# Altium PCB HYDRA_V3_NAV_CRIPPLED_V2.PcbDoc (part 1 of 2) (continued)
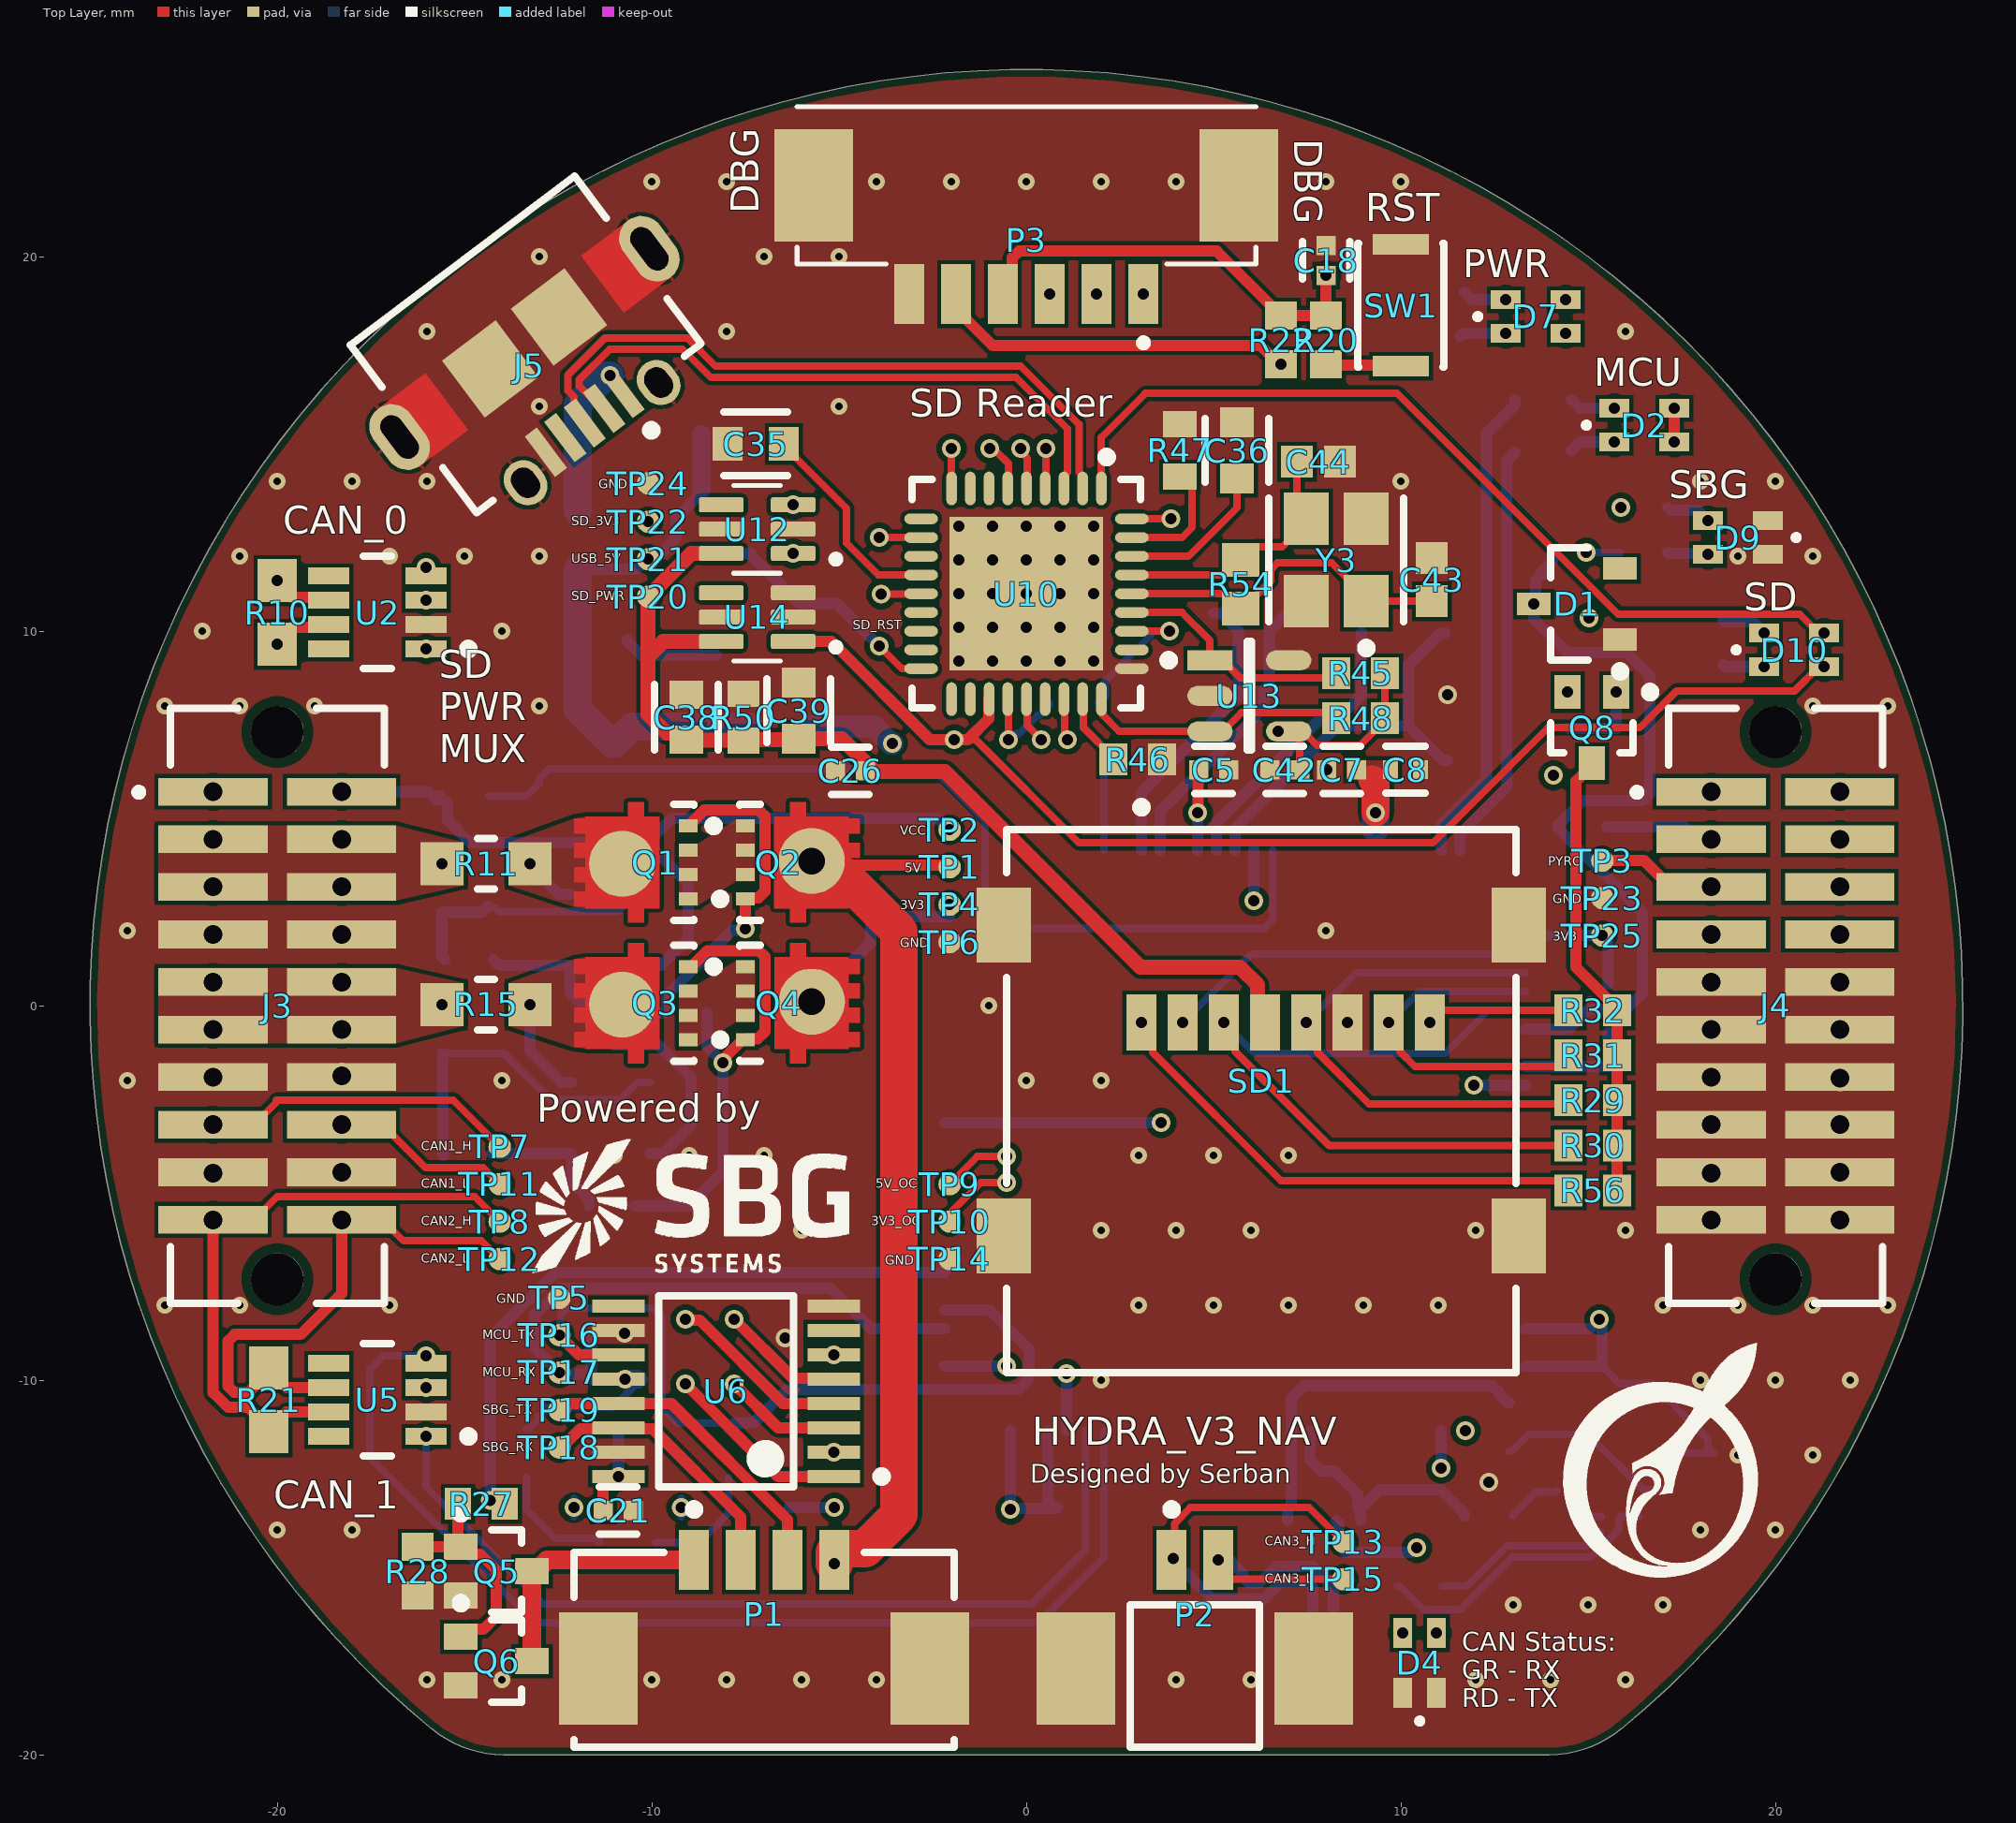
[diagram p0: Top Layer view]
## Components (designator, comment, footprint, x,y, rotation, side; value= is the part's Value field where it differs from the comment)
C1 "CC0402JRNPO9BN500" FP-C0402-BB-MFG -4.45,2.375 r0 bottom value="50 pF"
C2 "CC0402JRNPO9BN500" FP-C0402-BB-MFG -0.425,-13.85 r90 bottom value="50 pF"
C3 "C1005X7S1A225K050BC" FP-C1005-050-0_15-0_1-MFG 0.825,-13.8 r270 bottom
C4 "CC0402JRNPO9BN500" FP-C0402-BB-MFG 1.675,6.3 r0 bottom value="50 pF"
C5 "CC0402JRNPO9BN500" FP-C0402-BB-MFG 5,6.3 r180 top value="50 pF"
C6 "C0402C104K8PACTU" FP-C0402-BB-MFG 8,19.9 r90 bottom value="0.10 μF"
C7 "CC0402JRNPO9BN500" FP-C0402-BB-MFG 8.415,6.3 r0 top value="50 pF"
C8 "GRM155R71C104KA88D" FP-GRM15-MFG 10.115,6.3 r180 top value=0.10μF
C9 "CC0402JRNPO9BN500" FP-C0402-BB-MFG 15.775,-9.625 r180 bottom value="50 pF"
C10 "C1005X7S1A225K050BC" FP-C1005-050-0_15-0_1-MFG 15.7,-8.375 r0 bottom
C11 "CC0402JRNPO9BN500" FP-C0402-BB-MFG 15.375,2.275 r270 bottom value="50 pF"
C12 "C0402C104K8PACTU" FP-C0402-BB-MFG -16.425,10.825 r0 bottom value="0.10 μF"
C13 "08051A6R8CAT2A" FP-0805-L_2_01_0_2-W_1_25-MFG 8.95,10.95 r270 bottom
C14 "08051A6R8CAT2A" FP-0805-L_2_01_0_2-W_1_25-MFG 11.175,10.95 r270 bottom
C15 "C0402C104K8PACTU" FP-C0402-BB-MFG -14.2,3.015 r90 bottom value="0.10 μF"
C16 "C0402C104K8PACTU" FP-C0402-BB-MFG -15.175,-2.55 r0 bottom value="0.10 μF"
C17 "C0402C104K8PACTU" FP-C0402-BB-MFG -16.425,-10.2 r0 bottom value="0.10 μF"
C18 "C0402C104K8PACTU" FP-C0402-BB-MFG 8,19.9 r90 top value="0.10 μF"
C19 "C0805C180J5GACTU" FP-C0805C-DN-MFG 5,11.225 r90 bottom value="18 pF"
C20 "C0805C180J5GACTU" FP-C0805C-DN-MFG 7.15,11.225 r90 bottom value="18 pF"
C21 "C0402C104K8PACTU" FP-C0402-BB-MFG -10.9,-13.475 r0 top value="0.10 μF"
C22 "C0603X104K5RACTU" FP-C0603-CJ-MFG -5.795,-11.92 r180 bottom value=100nF
C23 "C0603X104K5RACTU" FP-C0603-CJ-MFG -8.45,-10.1 r180 bottom value=100nF
C24 "C0603X104K5RACTU" FP-C0603-CJ-MFG -5.795,-9.32 r180 bottom value=100nF
C25 "C0603X104K5RACTU" FP-C0603-CJ-MFG -8.45,-8.375 r180 bottom value=100nF
C26 "C0402C104K8PACTU" FP-C0402-BB-MFG -4.7,6.275 r180 top value="0.10 μF"
C27 "C0402C104K8PACTU" FP-C0402-BB-MFG 10.425,-14.075 r270 bottom value="0.10 μF"
C28 "C0402C104K8PACTU" FP-C0402-BB-MFG 18.35,-12.35 r90 bottom value="0.10 μF"
C29 "CC0603KRX7R7BB105" FP-CC0603-DA-MFG -7.925,15.25 r0 bottom value="1 uF"
C30 "C0402C104K8PACTU" FP-C0402-BB-MFG -3.525,9.6 r180 bottom value="0.10 μF"
C31 "C0603C475K9PACTU" FP-C0603-CG-MFG -10.1,13.525 r90 bottom value=4.7uF
C32 "C0402C104K8PACTU" FP-C0402-BB-MFG -3.479,10.986 r180 bottom value="0.10 μF"
C33 "C0402C104K8PACTU" FP-C0402-BB-MFG -0.485,7.505 r270 bottom value="0.10 μF"
C34 "C0402C104K8PACTU" FP-C0402-BB-MFG -0.978,14.478 r90 bottom value="0.10 μF"
C35 "CC0603KRX7R7BB105" FP-CC0603-DA-MFG -7.225,15 r180 top value="1 uF"
C36 "CC0603KRX7R7BB105" FP-CC0603-DA-MFG 5.625,14.825 r90 top value="1 uF"
C37 "C0402C104K8PACTU" FP-C0402-BB-MFG 3.459,12.999 r0 bottom value="0.10 μF"
C38 "C0603C475K9PACTU" FP-C0603-CG-MFG -9.075,7.7 r90 top value=4.7uF
C39 "CC0603KRX7R9BB102" FP-CC0603-DA-MFG -6.075,7.875 r90 top value="1.0 nF"
C40 "CC0603KRX7R7BB105" FP-CC0603-DA-MFG -11.025,7.758 r90 bottom value="1 uF"
C41 "CC0603KRX7R7BB105" FP-CC0603-DA-MFG -3.579,7.758 r90 bottom value="1 uF"
C42 "C0402C104K8PACTU" FP-C0402-BB-MFG 6.9,6.3 r0 top value="0.10 μF"
C43 "CC0603JRNPO9BN180" CAPC1608X90X40LL10T20 10.825,11.375 r270 top
C44 "CC0603JRNPO9BN180" CAPC1608X90X40LL10T20 7.8,14.525 r180 top
D1 "BZX84-A3V3,215" SOT95P230X110-3N 14.7,10.725 r180 top
D2 "150066RG54050" WL-SBCD_0606 16.5,15.5 r90 top
D4 "150066RG54050" WL-SBCD_0606 10.5,-17.55 r180 top
D5 "TS4148RCG" TS4148RCG-Footprint-1 -11.175,-0.2 r180 bottom
D6 "TS4148RCG" TS4148RCG-Footprint-1 -11.075,-5.35 r180 bottom
D7 "150066RG54050" WL-SBCD_0606 13.6,18.4 r90 top
D8 "TS4148RCG" TS4148RCG-Footprint-1 -9.125,-0.2 r0 bottom
D9 "150066RG54050" WL-SBCD_0606 19,12.5 r270 top
D10 "150066RG54050" WL-SBCD_0606 20.5,9.5 r90 top
FB1 "BLM18PG121SN1D" FP-BLM18-0_15-t0_8-IPC_A -11.975,12.425 r90 bottom
J1 "SFML-110-02-L-D-A" SFML-110-02-L-D-A-Footprint-1 -20,0 r270 bottom
J2 "SFML-110-02-L-D-A" SFML-110-02-L-D-A-Footprint-1 20,0 r270 bottom
J3 "TFML-110-02-L-D-A" TFML-110-02-L-D-A-Footprint-1 -20,0 r270 top
J4 "TFML-110-02-L-D-A" TFML-110-02-L-D-A-Footprint-1 20,0 r270 top
J5 "47589-0001" MOLX-47589-0001_V -12.5,16.5 r217 top locked
P1 "53261-0471" MOLEX-53261-0471_V -7,-16.25 r0 top
P2 "53261-0271" MOLX-53261-0271_V 4.5,-16.25 r0 top
P3 "0532610671" 0532610671-Footprint-1 0,19 r180 top locked
Q1 "SISH615ADN-T1-GE3" SISH615ADN-T1-GE3-Footprint-1 -10.427,3.79 r90 top
Q2 "SISH615ADN-T1-GE3" SISH615ADN-T1-GE3-Footprint-1 -6.102,3.865 r270 top
Q3 "SISH615ADN-T1-GE3" SISH615ADN-T1-GE3-Footprint-1 -10.425,0.03 r90 top
Q4 "SISH615ADN-T1-GE3" SISH615ADN-T1-GE3-Footprint-1 -6.1,0.108 r270 top
Q5 "BSS138W-7-F" DIOD-SOT323-3_V -14.15,-15.1 r0 top
Q6 "BSS138W-7-F" DIOD-SOT323-3_V -14.15,-17.5 r0 top
Q7 "DMG1013UW-7" DIOD-SOT323-3_V 15.1,9.325 r90 bottom
Q8 "DMG1013UW-7" DIOD-SOT323-3_V 15.1,7.425 r270 top
R1 "ERJ3EKF1002V" RESC1609X55X30LL15T15 -5.125,-14.05 r270 bottom
R2 "ERJ3EKF1002V" RESC1609X55X30LL15T15 15.53,-0.075 r90 bottom
R3 "ERJ3EKF1002V" RESC1609X55X30LL15T15 -15,5.6 r180 bottom
R4 "ERJ3EKF1002V" RESC1609X55X30LL15T15 14.85,4.775 r0 bottom
R5 "ERJ3EKF1002V" RESC1609X55X30LL15T15 -6.325,-14.05 r90 bottom
R6 "ERJ3EKF1002V" RESC1609X55X30LL15T15 15.53,-2.275 r90 bottom
R7 "CRCW06032K70JNEA" RESC1609X50X30ML10T20 -12.675,5.6 r180 bottom
R8 "CRCW06032K70JNEA" RESC1609X50X30ML10T20 13.675,12.525 r270 bottom
R9 "ERJ3EKF1002V" RESC1609X55X30LL15T15 -7.5,3.35 r270 bottom
R10 "ERJ-3EKF1200V" RESC1609X55X30ML15T15 -20,10.5 r270 top
R11 "ERJ-6DSFR10V" FP-ERJ6D-MFG -14.428,3.79 r0 top
R12 "ERJ3EKF1002V" RESC1609X55X30LL15T15 -15.603,3.14 r90 bottom
R13 "ERJ3EKF1002V" RESC1609X55X30LL15T15 -8.325,-5.35 r180 bottom
R14 "RT0603BRD071ML" RESC1608X55X30NL20T20 -14.925,1.225 r180 bottom
R15 "ERJ-6DSFR10V" FP-ERJ6D-MFG -14.425,0.03 r0 top
R16 "ERJ3EKF1002V" RESC1609X55X30LL15T15 -15.6,-0.62 r90 bottom
R17 "RT0603BRD071ML" RESC1608X55X30NL20T20 -14.923,-3.945 r180 bottom
R18 "CRCW060351R0FKEA" FP-CRCW0603-e3-MFG 13.8,14.775 r180 bottom
R19 "CRCW060351R0FKEA" FP-CRCW0603-e3-MFG 13.8,16.175 r180 bottom
R20 "ERJ-3EKF3300V" RESC1608X55X30LL15T15#1 8,17.775 r270 top
R21 "ERJ-3EKF1200V" RESC1609X55X30ML15T15 -20.225,-10.525 r270 top
R22 "ERJ3EKF1002V" RESC1609X55X30LL15T15 6.8,17.775 r90 top
R23 "ERJ-3EKF3300V" RESC1608X55X30LL15T15#1 10.925,17.875 r180 bottom
R24 "CRCW060351R0FKEA" FP-CRCW0603-e3-MFG 10.95,19.05 r180 bottom
R25 "ERJ-3EKF1001V" RESC1608X55X30LL15T15#2 -10.995,-9.97 r0 bottom
R26 "ERJ3EKF1801V" RESC1608X55X30LL15T15#2 -11,-8.775 r180 bottom
R27 "ERJ-3EKF1001V" RESC1608X55X30LL15T15#2 -14.55,-13.3 r180 top
R28 "ERJ3EKF1002V" RESC1609X55X30LL15T15 -16.25,-15.1 r90 top
R29 "ERJ3EKF1002V" RESC1609X55X30LL15T15 15.125,-2.525 r0 top
R30 "ERJ3EKF1002V" RESC1609X55X30LL15T15 15.125,-3.731 r0 top
R31 "ERJ3EKF1002V" RESC1609X55X30LL15T15 15.125,-1.325 r0 top
R32 "ERJ3EKF1002V" RESC1609X55X30LL15T15 15.125,-0.125 r0 top
R33 "ERJ-3EKF1200V" RESC1609X55X30ML15T15 4.5,-14.775 r180 bottom
R34 "ERJ-3EKF1001V" RESC1608X55X30LL15T15#2 14.5,6.775 r270 bottom
R35 "ERJ-3EKF1001V" RESC1608X55X30LL15T15#2 11.1,-16.125 r270 bottom
R36 "ERJ3EKF1002V" RESC1609X55X30LL15T15 12.35,-13.625 r0 bottom
R37 "ERJ-3EKF1001V" RESC1608X55X30LL15T15#2 9.9,-16.125 r270 bottom
R38 "ERJ3EKF1002V" RESC1609X55X30LL15T15 12.9,-11.25 r90 bottom
R39 "ERJ-3EKF1001V" RESC1608X55X30LL15T15#2 16.5,13.3 r0 bottom
R40 "ERJ3EKF1002V" RESC1609X55X30LL15T15 -13.35,-11.95 r270 bottom
R41 "ERJ-3EKF1001V" RESC1608X55X30LL15T15#2 16.5,12.1 r0 bottom
R42 "ERJ3EKF1002V" RESC1609X55X30LL15T15 -7.95,-11.95 r90 bottom
R43 "RC0603FR-07100KL" FP-RC0603-0_55-MFG -8.65,12.925 r270 bottom
R44 "RC0603FR-07100KL" FP-RC0603-0_55-MFG -7.35,12.925 r270 bottom
R45 "ERJ3EKF1002V" RESC1609X55X30LL15T15 8.925,8.875 r0 top
R46 "ERJ3EKF1002V" RESC1609X55X30LL15T15 2.975,6.575 r180 top
R47 "RC0603FR-0712KL" RESC1608X55X25NL10T15 4.1,14.825 r270 top
R48 "ERJ3EKF1002V" RESC1609X55X30LL15T15 8.925,7.675 r0 top
R49 "ERJ3EKF1002V" RESC1609X55X30LL15T15 1.275,8.075 r180 bottom
R50 "ERJ3EKF2201V" RESC1608X55X30LL15T15#2 -7.55,7.7 r270 top
R51 "ERJ-3EKF3300V" RESC1608X55X30LL15T15#1 17.95,9.1 r180 bottom
R52 "ERJ-3EKF3300V" RESC1608X55X30LL15T15#1 17.95,10.3 r180 bottom
R53 "ERJ3EKF1002V" RESC1609X55X30LL15T15 -11.3,9.775 r180 bottom
R54 "RT0603BRD071ML" RESC1608X55X30NL20T20 5.725,11.25 r270 top
R55 "ERJ3EKF1002V" RESC1609X55X30LL15T15 -1.925,7.755 r270 bottom
R56 "ERJ3EKF1002V" RESC1609X55X30LL15T15 15.125,-4.931 r0 top
R57 "ERJ3EKF1002V" RESC1609X55X30LL15T15 15.75,6.75 r90 bottom
SD1 "47219-2001" MOLX-47219-2001-8_V 6.275,-2 r0 top
SW1 "KXT331LHS" FP-KXT331LHS-MFG 10,18.7 r90 top locked
TP1 "TPAD6R" TP06R -2.05,3.7 r90 top
TP2 "TPAD6R" TP06R -2.05,4.7 r90 top
TP3 "TPAD6R" TP06R 15.375,3.875 r90 top
TP4 "TPAD6R" TP06R -2.05,2.7 r90 top
TP5 "TPAD6R" TP06R -12.475,-7.8 r90 top
TP6 "TPAD6R" TP06R -2.05,1.7 r90 top
TP7 "TPAD6R" TP06R -14.062,-3.763 r90 top
TP8 "TPAD6R" TP06R -14.062,-5.763 r90 top
TP9 "TPAD6R" TP06R -2.05,-4.763 r90 top
TP10 "TPAD6R" TP06R -2.05,-5.763 r90 top
TP11 "TPAD6R" TP06R -14.062,-4.763 r90 top
TP12 "TPAD6R" TP06R -14.062,-6.763 r90 top
TP13 "TPAD6R" TP06R 8.463,-14.313 r180 top
TP14 "TPAD6R" TP06R -2.05,-6.763 r90 top
TP15 "TPAD6R" TP06R 8.463,-15.313 r180 top
TP16 "TPAD6R" TP06R -12.47,-8.795 r90 top
TP17 "TPAD6R" TP06R -12.47,-9.795 r90 top
TP18 "TPAD6R" TP06R -12.47,-11.795 r90 top
TP19 "TPAD6R" TP06R -12.47,-10.795 r90 top
TP20 "TPAD6R" TP06R -10.1,10.925 r90 top
TP21 "TPAD6R" TP06R -10.1,11.925 r90 top
TP22 "TPAD6R" TP06R -10.1,12.925 r90 top
TP23 "TPAD6R" TP06R 15.375,2.875 r90 top
TP24 "TPAD6R" TP06R -10.1,13.95 r90 top
TP25 "TPAD6R" TP06R 15.375,1.875 r90 top
U1 "STM32H733VGT6" STM32H733VGT6-Footprint-1 5.575,-3.6 r270 bottom
U2 "TCAN330GDCNR" FP-DCN0008A-MFG -17.325,10.5 r180 top
U3 "TLV1805DBVR" FP-DBV0006A-IPC_C -11.147,2.03 r0 bottom
U4 "TLV1805DBVR" FP-DBV0006A-IPC_C -11.098,-2.995 r0 bottom
U5 "TCAN330GDCNR" FP-DCN0008A-MFG -17.325,-10.525 r180 top
U6 "MAX3232EUE+T" FP-U16-1-MFG -8.02,-10.295 r180 top
U7 "TCAN330GDCNR" FP-DCN0008A-MFG 7.95,-15.05 r270 bottom
U8 "LM2902Q4T" LM2902Q4T-Footprint-1 15.6,-12.2 r180 bottom
U9 "LM2902Q4T" LM2902Q4T-Footprint-1 -10.65,-12.9 r270 bottom
U10 "USB2244I-AEZG-06-TR" FP-36QFN-4106-6x6B-MFG 0,11 r270 top
U11 "AP2112K-3.3TRG1" FP-SOT25-IPC_A -7.074,8.4 r0 bottom
U12 "LM66100DCKR" LM66100DCKR-Footprint-1 -7.19,12.725 r180 top
U13 "AT24C04C-STUM-T" FP-C04-21344-IPC_C 5.95,8.275 r0 top
U14 "LM66100DCKR" LM66100DCKR-Footprint-1 -7.19,10.375 r180 top
Y1 "ABM8-48.000MHZ-B2-T" FP-ABM8-MFG 10.1,7.425 r180 bottom
Y2 "ECS-.327-12.5-1210-TR" FP-ECX-1210-MFG 6.075,8.575 r0 bottom
Y3 "ABM8AIG-24.000MHZ-12-2Z-T3" FP-ABM8AIG-MFG 8.275,11.9 r90 top

## Footprints (in the part's own frame and the unit in brackets; to place one, negate y for a bottom-side part, rotate by r counter-clockwise, add the part's x,y. Pads: shape width x height; smd on the part's side, far side on the other; paste and mask are expansions set on the pad)
0532610671-Footprint-1 [mm]
  rect 0.8x1.6 smd: 1(-3.125,0) 2(-1.875,0) 3(-0.625,0) 4(0.625,0) 5(1.875,0) 6(3.125,0)
  rect 2.1x3 smd: S1(-5.675,-2.9) S2(5.675,-2.9)
  silkscreen extent -6.12,-5 6.12,1.4
CAPC1608X90X40LL10T20 [mm] "Chip Capacitor, 2-Leads, Body 1.7x0.9mm, IPC High Density"
  rect 0.85x0.85 smd: 1(-0.575,0) 2(0.575,0)
  body extent -0.85,-0.45 0.85,0.45, height 0.9
DIOD-SOT323-3_V [mm] "SOT323, 3-Leads, Body 2.2x1.35mm, Pitch 0.65mm"
  rect 0.9x0.7 smd: 1(-0.95,0.65) 2(-0.95,-0.65) 3(0.95,0)
  silkscreen extent -1.07,-1.1 0.67,1.67, body extent -1.1,-1.1 1.1,1.1, height 1.07
FP-36QFN-4106-6x6B-MFG [mm]
  rrect100% 0.9x0.28 smd paste-1000 mask+0: 1(-2.812,2) 2(-2.812,1.5) 3(-2.812,1) 4(-2.812,0.5) 5(-2.812,0) 6(-2.812,-0.5) 7(-2.812,-1) 8(-2.812,-1.5) 9(-2.812,-2) 19(2.812,-2) 20(2.812,-1.5) 21(2.812,-1) 22(2.812,-0.5) 23(2.812,0) 24(2.812,0.5) 25(2.812,1) 26(2.812,1.5) 27(2.812,2)
  rrect100% 0.28x0.9 smd paste-1000 mask+0: 10(-2,-2.812) 11(-1.5,-2.812) 12(-1,-2.812) 13(-0.5,-2.812) 14(0,-2.812) 15(0.5,-2.812) 16(1,-2.812) 17(1.5,-2.812) 18(2,-2.812) 28(2,2.812) 29(1.5,2.812) 30(1,2.812) 31(0.5,2.812) 32(0,2.812) 33(-0.5,2.812) 34(-1,2.812) 35(-1.5,2.812) 36(-2,2.812)
  rect 4.1x4.1 smd paste-1000 mask+0: 37(0,0)
  silkscreen extent -3.77,-3.05 3.05,3.05, body extent -3.36,-3.36 3.36,3.36, height 0.25
FP-0805-L_2_01_0_2-W_1_25-MFG [mm]
  rect 1x1.25 smd paste+0 mask+0: 1(-1,0) 2(1,0)
  silkscreen extent -0.13,-0.72 0.13,0.72, body extent -1,-0.63 1,0.63, height 0.94
FP-ABM8-MFG [mm]
  rect 1.3x1.05 smd paste+0 mask+0: 1(-1.15,-0.875) 2(1.15,-0.875) 3(1.15,0.875) 4(-1.15,0.875)
  silkscreen extent -2.5,-1.88 1.7,1.88, body extent -1.6,-1.25 1.6,1.25, height 0.8
FP-ABM8AIG-MFG [mm]
  rect 1.4x1.2 smd paste+0 mask+0: 1(-1.1,-0.8) 2(1.1,-0.8) 3(1.1,0.8) 4(-1.1,0.8)
  silkscreen extent -2.47,-1.8 1.65,1.8, body extent -1.9,-1.5 1.9,1.5, height 0.25
FP-BLM18-0_15-t0_8-IPC_A [mm]
  rect 1.306x1.058 smd paste+0 mask+0: 1(-0.776,0) 2(0.776,0)
  silkscreen extent -1.43,-0.93 1.43,0.93, body extent -0.8,-0.4 0.8,0.4, height 0.95
FP-C04-21344-IPC_C [mm]
  rect 1.205x0.532 smd paste+0 mask+0: 1(-1.05,0.95)
  rrect100% 1.205x0.532 smd paste+0 mask+0: 2(-1.05,0) 3(-1.05,-0.95) 4(1.05,-0.95) 5(1.05,0.95)
  silkscreen extent -2.28,-1.45 0.05,1.45, body extent -1.75,-1.55 1.75,1.55, height 0.25
FP-C0402-BB-MFG [mm]
  rect 0.52x0.52 smd paste+0 mask+0: 1(-0.4,0) 2(0.4,0)
  silkscreen extent -0.5,-0.64 0.5,0.64, body extent -0.5,-0.25 0.5,0.25, height 0.55
FP-C0603-CG-MFG [mm]
  rect 0.75x0.9 smd paste+0 mask+0: 1(-0.6,0) 2(0.6,0)
  silkscreen extent -0.87,-0.85 0.87,0.85, body extent -0.8,-0.4 0.8,0.4, height 0.9
FP-C0603-CJ-MFG [mm]
  rect 0.85x0.9 smd paste+0 mask+0: 1(-0.65,0) 2(0.65,0)
  silkscreen extent -0.8,-0.85 0.8,0.85, body extent -0.8,-0.4 0.8,0.4, height 0.95
FP-C0805C-DN-MFG [mm]
  rect 0.95x1.35 smd paste+0 mask+0: 1(-0.75,0) 2(0.75,0)
  silkscreen extent -1.1,-1.07 1.1,1.07, body extent -1,-0.63 1,0.63, height 0.88
FP-C1005-050-0_15-0_1-MFG [mm]
  rect 0.4x0.5 smd paste+0 mask+0: 1(-0.4,0) 2(0.4,0)
  silkscreen extent -0.58,-0.63 0.58,0.63, body extent -0.5,-0.25 0.5,0.25, height 0.65
FP-CC0603-DA-MFG [mm]
  rect 0.8x0.9 smd paste+0 mask+0: 1(-0.75,0) 2(0.75,0)
  silkscreen extent -0.85,-0.85 0.85,0.85, body extent -0.8,-0.4 0.8,0.4, height 0.9
FP-CRCW0603-e3-MFG [mm]
  rect 0.75x1 smd paste+0 mask+0: 1(-0.75,0) 2(0.75,0)
  silkscreen extent -0.8,-0.9 0.8,0.9, body extent -0.77,-0.43 0.77,0.43, height 0.5
FP-DBV0006A-IPC_C [mm]
  rect 1.205x0.53 smd paste+0 mask+0: 1(-1.05,0.95)
  rrect100% 1.205x0.53 smd paste+0 mask+0: 2(-1.05,0) 3(-1.05,-0.95) 4(1.05,-0.95) 5(1.05,0) 6(1.05,0.95)
  silkscreen extent -2.33,-1.45 0.05,1.45, body extent -1.4,-1.45 1.4,1.45, height 1.45
FP-DCN0008A-MFG [mm]
  rect 1.1x0.45 smd paste+0 mask+0: 1(-1.3,0.975) 2(-1.3,0.325) 3(-1.3,-0.325) 4(-1.3,-0.975) 5(1.3,-0.975) 6(1.3,-0.325) 7(1.3,0.325) 8(1.3,0.975)
  silkscreen extent -2.55,-1.5 0.38,1.5, body extent -1.95,-1.85 1.95,1.85, height 0.25
FP-ECX-1210-MFG [mm]
  rect 0.575x1.14 smd paste+0 mask+0: 1(-0.413,0) 2(0.413,0)
  silkscreen extent -0.65,-0.95 0.65,0.95, body extent -0.6,-0.5 0.6,0.5, height 0.5
FP-ERJ6D-MFG [mm]
  rect 1.15x1.15 smd paste+0 mask+0: 1(-1.175,0) 2(1.175,0)
  silkscreen extent -0.23,-0.67 0.23,0.67, body extent -1.85,-0.77 1.85,0.77, height 0.25
FP-GRM15-MFG [mm]
  rect 0.4x0.5 smd paste+0 mask+0: 1(-0.4,0) 2(0.4,0)
  silkscreen extent -0.53,-0.63 0.53,0.63, body extent -0.3,-0.16 0.3,0.16, height 0.33
FP-KXT331LHS-MFG [mm]
  rect 0.55x1.5 smd paste+0 mask+0: 1(-1.625,0) 2(1.625,0)
  silkscreen extent -1.65,-1.15 1.65,1.15, body extent -2,-1.25 2,1.25, height 0.25
FP-RC0603-0_55-MFG [mm]
  rect 0.9x0.8 smd paste+0 mask+0: 1(-0.85,0) 2(0.85,0)
  silkscreen extent -0.03,-0.45 0.03,0.45, body extent -0.8,-0.4 0.8,0.4, height 0.55
FP-SOT25-IPC_A [mm]
  rect 1.707x0.616 smd paste+0 mask+0: 1(-1.201,0.95)
  rrect100% 1.707x0.616 smd paste+0 mask+0: 2(-1.201,0) 3(-1.201,-0.95) 4(1.201,-0.95) 5(1.201,0.95)
  silkscreen extent -3.08,-1.75 1.4,1.75, body extent -1.4,-1.47 1.4,1.45, height 1.45
FP-U16-1-MFG [mm]
  rect 1.4x0.35 smd paste+0 mask+0: 1(-2.875,2.275) 2(-2.875,1.625) 3(-2.875,0.975) 4(-2.875,0.325) 5(-2.875,-0.325) 6(-2.875,-0.975) 7(-2.875,-1.625) 8(-2.875,-2.275) 9(2.875,-2.275) 10(2.875,-1.625) 11(2.875,-0.975) 12(2.875,-0.325) 13(2.875,0.325) 14(2.875,0.975) 15(2.875,1.625) 16(2.875,2.275)
  silkscreen extent -4.28,-2.55 1.8,2.55, body extent -3.67,-2.8 3.67,2.8, height 0.25
LM2902Q4T-Footprint-1 [mm]
  rrect25% 0.84x0.26 smd: 1(-1.435,0.75) 2(-1.435,0.25) 3(-1.435,-0.25) 4(-1.435,-0.75) 9(1.435,-0.75) 10(1.435,-0.25) 11(1.435,0.25) 12(1.435,0.75)
  rrect25% 0.26x0.84 smd: 5(-0.75,-1.435) 6(-0.25,-1.435) 7(0.25,-1.435) 8(0.75,-1.435) 13(0.75,1.435) 14(0.25,1.435) 15(-0.25,1.435) 16(-0.75,1.435)
  silkscreen extent -2.09,-1.5 1.5,2.1
LM66100DCKR-Footprint-1 [mm]
  rrect25% 1.19x0.4 smd: 1(-0.96,0.65) 2(-0.96,0) 3(-0.96,-0.65) 4(0.96,-0.65) 5(0.96,0) 6(0.96,0.65)
  silkscreen extent -2.2,-1.17 0.63,1.17, body extent -1.05,-1 1.05,1, height 1.1
MOLEX-53261-0471_V [mm] "SMD, 4-Leads, Body 10.15x5.2mm, Pitch 1.25mm"
  rect 0.8x1.6 smd: 1(-1.875,1.45) 2(-0.625,1.45) 3(0.625,1.45) 4(1.875,1.45)
  rect 2.1x3 smd: MP1(-4.425,-1.45) MP2(4.425,-1.45)
  silkscreen extent -5.08,-3.55 5.08,2.93, body extent -5.08,-3.55 5.07,1.65, height 3.4
MOLX-47219-2001-8_V [mm] "CONN, 8-Leads, Body 14.5x13.6mm, Pitch 1.1mm"
  rect 0.8x1.5 smd: 1(-3.205,1.55) 2(-2.105,1.55) 3(-1.005,1.55) 4(0.095,1.55) 5(1.195,1.55) 6(2.295,1.55) 7(3.395,1.55) 8(4.495,1.55)
  rect 1.45x2 smd: 9(6.875,4.15) 10(6.875,-4.15) 11(-6.875,-4.15) 12(-6.875,4.15)
  silkscreen extent -6.8,-7.8 6.8,7.42, body extent -7.3,-7.79 7.3,6.71, height 1.91
MOLX-47589-0001_V [mm] "SMD, 5-Leads, Body 7.5x5.6mm, Pitch 0.65mm"
  rect 0.4x1.35 smd: 1(-1.3,1.175) 2(-0.65,1.175) 3(0,1.175) 4(0.65,1.175) 5(1.3,1.175)
  oval 1.05x1.25 hole 0.65 slot 0.85 at 90 deg: 6(-2.225,1.5) 7(2.225,1.5)
  oval 1.2x1.9 hole 0.6 slot 1.3 at 90 deg: 8(-4.175,-1.5) 11(4.175,-1.5)
  rect 1.8x1.9 smd: 9(-1.15,-1.5) 10(1.15,-1.5)
  Top Layer region: 2.6,-2.45 4.175,-2.45 4.175,-0.55 2.6,-0.55
  Top Layer region: -2.6,-0.55 -4.175,-0.55 -4.175,-2.45 -2.6,-2.45
  silkscreen extent -3.75,-4.25 3.75,2.52, body extent -4.32,-4.25 4.32,1.64, height 2.74
MOLX-53261-0271_V [mm] "Header, 2-Leads, Pitch 1.25mm"
  rect 0.8x1.6 smd: 1(-0.625,1.45) 2(0.625,1.45)
  rect 2.1x3 smd: MP1(-3.175,-1.45) MP2(3.175,-1.45)
  silkscreen extent -1.72,-3.55 1.73,2.92, body extent -3.82,-3.55 3.83,1.65, height 3.41
RESC1608X55X25NL10T15 [mm] "Chip Resistor, 2-Leads, Body 1.70x0.90mm, IPC Medium Density"
  rect 0.7x0.9 smd: 1(-0.7,0) 2(0.7,0)
  body extent -0.85,-0.45 0.85,0.45, height 0.55
RESC1608X55X30LL15T15#1 [mm] "Chip Resistor, 2-Leads, Body 1.75x0.95mm, IPC High Density"
  rect 0.75x0.85 smd: 1(-0.65,0) 2(0.65,0)
  body extent -0.87,-0.48 0.87,0.48, height 0.55
RESC1608X55X30LL15T15#2 [mm] "Chip Resistor, 2-Leads, Body 1.60x0.80mm, IPC High Density"
  rect 0.7x0.85 smd: 1(-0.625,0) 2(0.625,0)
  body extent -0.87,-0.48 0.87,0.48, height 0.55
RESC1608X55X30NL20T20 [mm] "Chip Resistor, 2-Leads, Body 1.60x0.80mm, IPC Medium Density"
  rect 0.9x1 smd: 1(-0.65,0) 2(0.65,0)
  body extent -0.9,-0.5 0.9,0.5, height 0.55
RESC1609X50X30ML10T20 [mm] "Chip Resistor, 2-Leads, Body 1.55x0.85mm, IPC Low Density"
  rect 0.9x1.05 smd: 1(-0.675,0) 2(0.675,0)
  body extent -0.82,-0.48 0.82,0.48, height 0.5
RESC1609X55X30LL15T15 [mm] "Chip Resistor, 2-Leads, Body 1.75x0.95mm, IPC High Density"
  rect 0.75x0.85 smd: 1(-0.65,0) 2(0.65,0)
  body extent -0.87,-0.48 0.87,0.48, height 0.55
RESC1609X55X30ML15T15 [mm] "Chip Resistor, 2-Leads, Body 1.75x0.95mm, IPC Low Density"
  rect 1.15x1.05 smd: 1(-0.85,0) 2(0.85,0)
  body extent -0.87,-0.48 0.87,0.48, height 0.55
SFML-110-02-L-D-A-Footprint-1 [mm]
  rect 0.74x2.22 smd: 01(-5.715,1.365) 02(-5.715,-1.365) 03(-4.445,1.365) 04(-4.445,-1.365) 05(-3.175,1.365) 06(-3.175,-1.365) 07(-1.905,1.365) 08(-1.905,-1.365) 09(-0.635,1.365) 10(-0.635,-1.365) 11(0.635,1.365) 12(0.635,-1.365) 13(1.905,1.365) 14(1.905,-1.365) 15(3.175,1.365) 16(3.175,-1.365) 17(4.445,1.365) 18(4.445,-1.365) 19(5.715,1.365) 20(5.715,-1.365)